# KiCad board SparkFun_Pro_Mini-ESP32_panelized.kicad_pcb (continued)
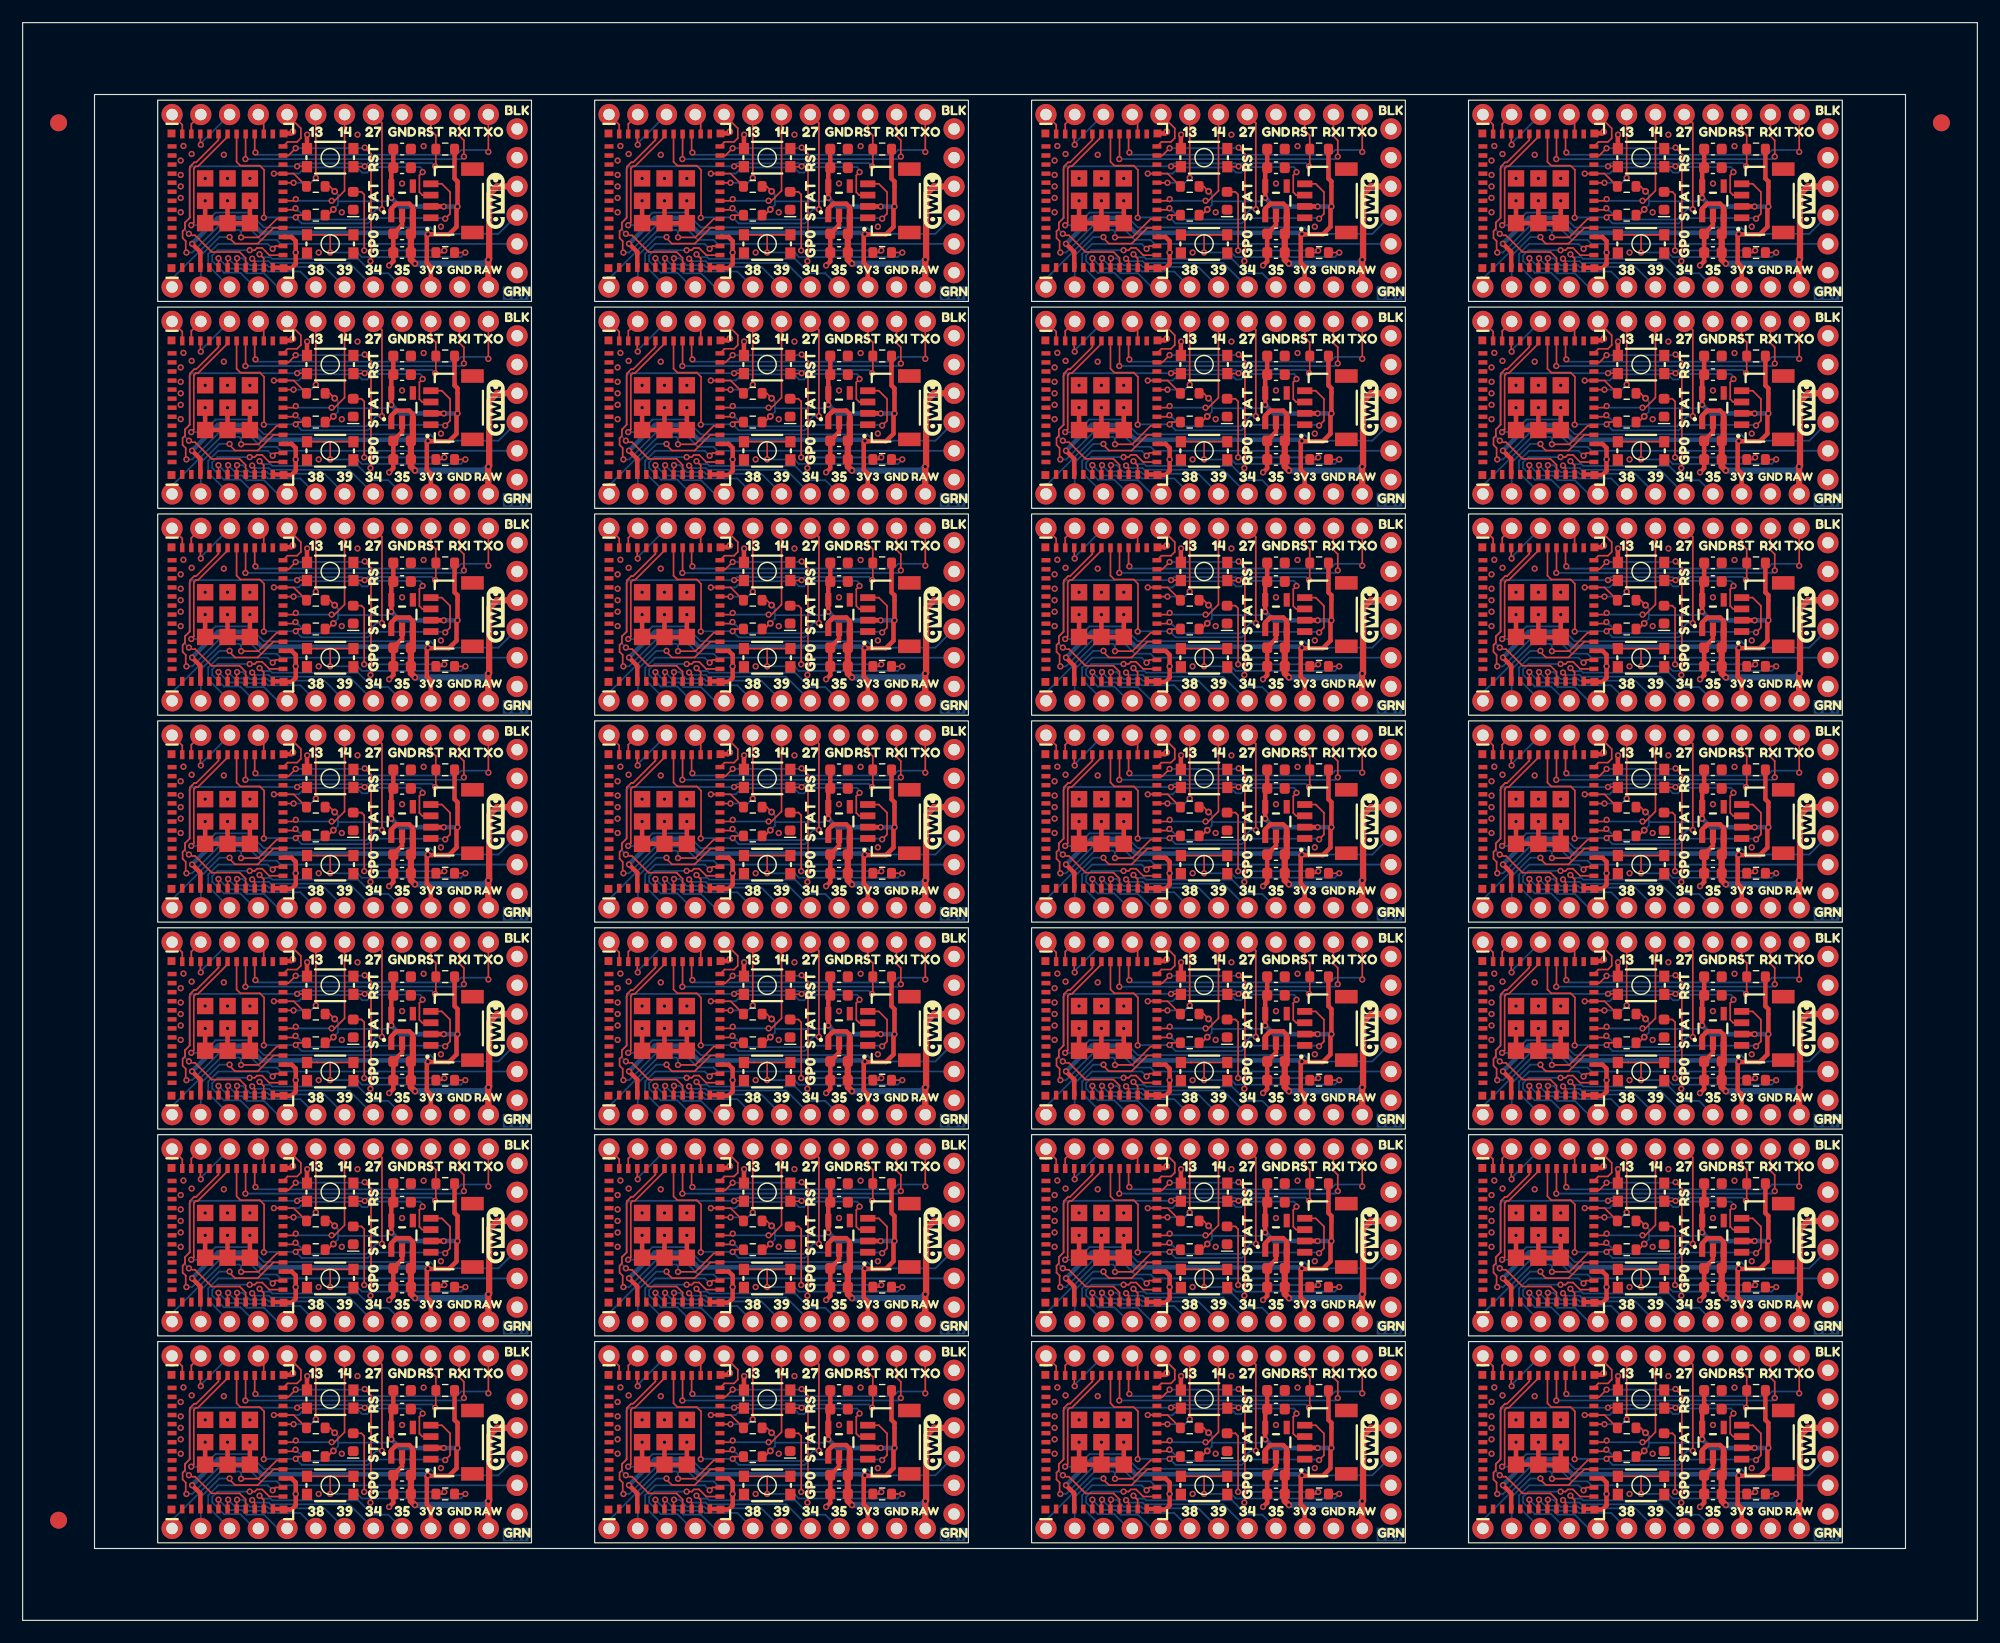
[diagram p0: board, top side]
## Routing (per net, layer and track width the routed paths; a pad name or vN(x,y) marks a point on that pad's centre or on a via; arc(x,y) is an arc through that point) (continued)
ESP_38A: length 269.9
  Top w0.152: U1#6.6 18.1,102.01 v2(18.15,102.06) ; U1#20.6 56.7,47.17 v2(56.75,47.22) ; U1#5.6 95.3,47.17 v2(95.35,47.22) ; v2(95.35,120.34) 95.3,120.29 U1#14.6 ; v2(133.95,47.22) 133.9,47.17 U1#7.6 ; v2(18.15,83.78) 18.1,83.73 U1#25.6 ; v2(133.95,28.94) 133.9,28.89 U1#27.6 ; U1#15.6 56.7,65.45 v2(56.75,65.5) ; v2(95.35,28.94) 95.3,28.89 U1#8.6 ; v2(18.15,65.5) 18.1,65.45 U1#24.6 ; v2(18.15,28.94) 18.1,28.89 U1#2.6 ; v2(56.75,102.06) 56.7,102.01 U1#21.6 ; U1#18.6 18.1,120.29 v2(18.15,120.34) ; v2(56.75,120.34) 56.7,120.29 U1#23.6 ; v2(133.95,65.5) 133.9,65.45 U1#12.6 ; U1#3.6 133.9,83.73 v2(133.95,83.78) ; v2(95.35,102.06) 95.3,102.01 U1#11.6 ; U1#16.6 56.7,83.73 v2(56.75,83.78) ; v2(95.35,10.66) 95.3,10.61 U1#22.6 ; U1#9.6 133.9,120.29 v2(133.95,120.34) ; U1#26.6 133.9,10.61 v2(133.95,10.66) ; U1#10.6 95.3,65.45 v2(95.35,65.5) ; U1.6 18.1,10.61 v2(18.15,10.66) ; U1#13.6 95.3,83.73 v2(95.35,83.78) ; U1#4.6 56.7,10.61 v2(56.75,10.66) ; v2(56.75,28.94) 56.7,28.89 U1#17.6 ; U1#19.6 133.9,102.01 v2(133.95,102.06) ; v2(18.15,47.22) 18.1,47.17 U1#28.6
  Bottom w0.152: v2(18.15,10.66) 18.71,10.1 19.51,10.1 19.93,9.69 21.47,9.69 21.67,9.49 24.53,9.49 J2#20.6 ; J2#21.6 63.13,82.61 60.27,82.61 60.07,82.81 58.53,82.81 58.11,83.22 57.31,83.22 v2(56.75,83.78) ; v2(56.75,47.22) 57.31,46.66 58.11,46.66 58.53,46.25 60.07,46.25 60.27,46.05 63.13,46.05 J2#23.6 ; v2(95.35,102.06) 95.91,101.5 96.71,101.5 97.13,101.09 98.67,101.09 98.87,100.89 101.73,100.89 J2#24.6 ; J2#22.6 24.53,64.33 21.67,64.33 21.47,64.53 19.93,64.53 19.51,64.94 18.71,64.94 v2(18.15,65.5) ; J2#9.6 24.53,46.05 21.67,46.05 21.47,46.25 19.93,46.25 19.51,46.66 18.71,46.66 v2(18.15,47.22) ; v2(18.15,120.34) 18.71,119.78 19.51,119.78 19.93,119.37 21.47,119.37 21.67,119.17 24.53,119.17 J2#6.6 ; v2(133.95,47.22) 134.51,46.66 135.31,46.66 135.73,46.25 137.27,46.25 137.47,46.05 140.33,46.05 J2#13.6 ; v2(18.15,83.78) 18.71,83.22 19.51,83.22 19.93,82.81 21.47,82.81 21.67,82.61 24.53,82.61 J2#11.6 ; J2#5.6 101.73,9.49 98.87,9.49 98.67,9.69 97.13,9.69 96.71,10.1 95.91,10.1 v2(95.35,10.66) ; v2(56.75,120.34) 57.31,119.78 58.11,119.78 58.53,119.37 60.07,119.37 60.27,119.17 63.13,119.17 J2#4.6 ; v2(95.35,47.22) 95.91,46.66 96.71,46.66 97.13,46.25 98.67,46.25 98.87,46.05 101.73,46.05 J2#18.6 ; J2#27.6 140.33,100.89 137.47,100.89 137.27,101.09 135.73,101.09 135.31,101.5 134.51,101.5 v2(133.95,102.06) ; v2(56.75,28.94) 57.31,28.38 58.11,28.38 58.53,27.97 60.07,27.97 60.27,27.77 63.13,27.77 J2#2.6 ; J2#14.6 101.73,64.33 98.87,64.33 98.67,64.53 97.13,64.53 96.71,64.94 95.91,64.94 v2(95.35,65.5) ; J2#16.6 101.73,82.61 98.87,82.61 98.67,82.81 97.13,82.81 96.71,83.22 95.91,83.22 v2(95.35,83.78) ; J2#25.6 63.13,64.33 60.27,64.33 60.07,64.53 58.53,64.53 58.11,64.94 57.31,64.94 v2(56.75,65.5) ; v2(95.35,28.94) 95.91,28.38 96.71,28.38 97.13,27.97 98.67,27.97 98.87,27.77 101.73,27.77 J2.6 ; v2(133.95,83.78) 134.51,83.22 135.31,83.22 135.73,82.81 137.27,82.81 137.47,82.61 140.33,82.61 J2#28.6 ; v2(18.15,28.94) 18.71,28.38 19.51,28.38 19.93,27.97 21.47,27.97 21.67,27.77 24.53,27.77 J2#15.6 ; J2#17.6 101.73,119.17 98.87,119.17 98.67,119.37 97.13,119.37 96.71,119.78 95.91,119.78 v2(95.35,120.34) ; J2#7.6 24.53,100.89 21.67,100.89 21.47,101.09 19.93,101.09 19.51,101.5 18.71,101.5 v2(18.15,102.06) ; J2#26.6 140.33,119.17 137.47,119.17 137.27,119.37 135.73,119.37 135.31,119.78 134.51,119.78 v2(133.95,120.34) ; v2(56.75,102.06) 57.31,101.5 58.11,101.5 58.53,101.09 60.07,101.09 60.27,100.89 63.13,100.89 J2#19.6 ; J2#10.6 140.33,9.49 137.47,9.49 137.27,9.69 135.73,9.69 135.31,10.1 134.51,10.1 v2(133.95,10.66) ; v2(56.75,10.66) 57.31,10.1 58.11,10.1 58.53,9.69 60.07,9.69 60.27,9.49 63.13,9.49 J2#8.6 ; J2#3.6 140.33,64.33 137.47,64.33 137.27,64.53 135.73,64.53 135.31,64.94 134.51,64.94 v2(133.95,65.5) ; v2(133.95,28.94) 134.51,28.38 135.31,28.38 135.73,27.97 137.27,27.97 137.47,27.77 140.33,27.77 J2#12.6
ESP_39A: length 318.9
  Top w0.152: v2(96.14,65.5) 96.1,65.46 U1#10.7 ; v2(134.74,102.06) 134.7,102.02 U1#19.7 ; U1#7.7 134.7,47.18 v2(134.74,47.22) ; U1#12.7 134.7,65.46 v2(134.74,65.5) ; U1#21.7 57.5,102.02 v2(57.54,102.06) ; v2(18.94,10.66) 18.9,10.62 U1.7 ; U1#15.7 57.5,65.46 v2(57.54,65.5) ; U1#17.7 57.5,28.9 v2(57.54,28.94) ; v2(134.74,83.78) 134.7,83.74 U1#3.7 ; v2(96.14,47.22) 96.1,47.18 U1#5.7 ; U1#11.7 96.1,102.02 v2(96.14,102.06) ; v2(57.54,83.78) 57.5,83.74 U1#16.7 ; U1#25.7 18.9,83.74 v2(18.94,83.78) ; U1#27.7 134.7,28.9 v2(134.74,28.94) ; v2(18.94,120.34) 18.9,120.3 U1#18.7 ; v2(134.74,120.34) 134.7,120.3 U1#9.7 ; v2(134.74,10.66) 134.7,10.62 U1#26.7 ; U1#22.7 96.1,10.62 v2(96.14,10.66) ; v2(18.94,28.94) 18.9,28.9 U1#2.7 ; U1#14.7 96.1,120.3 v2(96.14,120.34) ; U1#8.7 96.1,28.9 v2(96.14,28.94) ; U1#20.7 57.5,47.18 v2(57.54,47.22) ; v2(18.94,102.06) 18.9,102.02 U1#6.7 ; v2(96.14,83.78) 96.1,83.74 U1#13.7 ; U1#28.7 18.9,47.18 v2(18.94,47.22) ; U1#24.7 18.9,65.46 v2(18.94,65.5) ; v2(57.54,120.34) 57.5,120.3 U1#23.7 ; v2(57.54,10.66) 57.5,10.62 U1#4.7
  Bottom w0.152: v2(96.14,10.66) 96.65,10.66 97.27,10.04 98.82,10.04 98.96,9.9 103.86,9.9 J2#5.7 ; J2#25.7 65.26,64.74 60.36,64.74 60.22,64.88 58.67,64.88 58.05,65.5 v2(57.54,65.5) ; J2#19.7 65.26,101.3 60.36,101.3 60.22,101.44 58.67,101.44 58.05,102.06 v2(57.54,102.06) ; v2(96.14,102.06) 96.65,102.06 97.27,101.44 98.82,101.44 98.96,101.3 103.86,101.3 J2#24.7 ; J2#21.7 65.26,83.02 60.36,83.02 60.22,83.16 58.67,83.16 58.05,83.78 v2(57.54,83.78) ; J2#27.7 142.46,101.3 137.56,101.3 137.42,101.44 135.87,101.44 135.25,102.06 v2(134.74,102.06) ; v2(134.74,120.34) 135.25,120.34 135.87,119.72 137.42,119.72 137.56,119.58 142.46,119.58 J2#26.7 ; J2#13.7 142.46,46.46 137.56,46.46 137.42,46.6 135.87,46.6 135.25,47.22 v2(134.74,47.22) ; v2(57.54,10.66) 58.05,10.66 58.67,10.04 60.22,10.04 60.36,9.9 65.26,9.9 J2#8.7 ; v2(18.94,28.94) 19.45,28.94 20.07,28.32 21.62,28.32 21.76,28.18 26.66,28.18 J2#15.7 ; J2#4.7 65.26,119.58 60.36,119.58 60.22,119.72 58.67,119.72 58.05,120.34 v2(57.54,120.34) ; v2(18.94,47.22) 19.45,47.22 20.07,46.6 21.62,46.6 21.76,46.46 26.66,46.46 J2#9.7 ; J2#22.7 26.66,64.74 21.76,64.74 21.62,64.88 20.07,64.88 19.45,65.5 v2(18.94,65.5) ; v2(96.14,83.78) 96.65,83.78 97.27,83.16 98.82,83.16 98.96,83.02 103.86,83.02 J2#16.7 ; J2#28.7 142.46,83.02 137.56,83.02 137.42,83.16 135.87,83.16 135.25,83.78 v2(134.74,83.78) ; v2(134.74,28.94) 135.25,28.94 135.87,28.32 137.42,28.32 137.56,28.18 142.46,28.18 J2#12.7 ; J2#17.7 103.86,119.58 98.96,119.58 98.82,119.72 97.27,119.72 96.65,120.34 v2(96.14,120.34) ; v2(18.94,120.34) 19.45,120.34 20.07,119.72 21.62,119.72 21.76,119.58 26.66,119.58 J2#6.7 ; v2(18.94,10.66) 19.45,10.66 20.07,10.04 21.62,10.04 21.76,9.9 26.66,9.9 J2#20.7 ; v2(18.94,102.06) 19.45,102.06 20.07,101.44 21.62,101.44 21.76,101.3 26.66,101.3 J2#7.7 ; v2(134.74,65.5) 135.25,65.5 135.87,64.88 137.42,64.88 137.56,64.74 142.46,64.74 J2#3.7 ; J2#10.7 142.46,9.9 137.56,9.9 137.42,10.04 135.87,10.04 135.25,10.66 v2(134.74,10.66) ; J2#18.7 103.86,46.46 98.96,46.46 98.82,46.6 97.27,46.6 96.65,47.22 v2(96.14,47.22) ; J2#11.7 26.66,83.02 21.76,83.02 21.62,83.16 20.07,83.16 19.45,83.78 v2(18.94,83.78) ; v2(57.54,47.22) 58.05,47.22 58.67,46.6 60.22,46.6 60.36,46.46 65.26,46.46 J2#23.7 ; J2#2.7 65.26,28.18 60.36,28.18 60.22,28.32 58.67,28.32 58.05,28.94 v2(57.54,28.94) ; J2#14.7 103.86,64.74 98.96,64.74 98.82,64.88 97.27,64.88 96.65,65.5 v2(96.14,65.5) ; v2(96.14,28.94) 96.65,28.94 97.27,28.32 98.82,28.32 98.96,28.18 103.86,28.18 J2.7
~{RESET}: length 1158.2
  Top w0.152: J3#24.10 151.86,95.08 152.31,94.64 R1#4.2 152.31,91.97 v2(152.24,91.91) ; v2(36.44,128.47) 36.51,128.53 R1#8.2 36.51,131.2 36.06,131.64 J3#22.10 ; J3#20.10 113.26,40.24 113.7,39.8 R1#25.2 113.7,37.13 v2(113.64,37.07) ; J3#4.10 74.66,76.8 75.11,76.36 R1#22.2 75.11,73.69 v2(75.04,73.63) ; v2(107.42,128.47) 107.38,128.43 SW1#27.1 ; SW1#28.1 63.68,128.47 v2(62.85,128.47) ; 130.78,122.37 131.03,122.37 132.51,120.9 134.97,120.9 135.5,120.37 U1#9.8 ; v2(36.44,91.91) 36.51,91.97 R1#19.2 36.51,94.64 36.06,95.08 J3#14.10 ; v2(152.24,37.07) 152.31,37.13 R1#12.2 152.31,39.8 151.86,40.24 J3#9.10 ; 130.78,67.53 131.03,67.53 132.51,66.06 134.97,66.06 135.5,65.53 U1#12.8 ; 14.98,49.25 15.23,49.25 16.71,47.78 19.17,47.78 19.7,47.25 U1#28.8 ; J3#7.10 151.86,131.64 152.31,131.2 R1#18.2 152.31,128.53 v2(152.24,128.47) ; SW1#26.1 140.88,110.19 v2(140.05,110.19) ; 53.58,49.25 53.83,49.25 55.31,47.78 57.77,47.78 58.3,47.25 U1#20.8 ; v2(113.64,110.19) 113.7,110.25 R1#5.2 113.7,112.92 113.26,113.36 J3#26.10 ; v2(146.02,91.91) 145.98,91.87 SW1#16.1 ; v2(30.22,73.63) 30.18,73.59 SW1#4.1 ; v2(75.04,128.47) 75.11,128.53 R1#17.2 75.11,131.2 74.66,131.64 J3#21.10 ; 14.98,122.37 15.23,122.37 16.71,120.9 19.17,120.9 19.7,120.37 U1#18.8 ; v2(62.85,18.79) 63.68,18.79 SW1#12.1 ; v2(107.42,73.63) 107.38,73.59 SW1#15.1 ; v2(68.82,73.63) 68.78,73.59 SW1#19.1 ; J3#19.10 36.06,113.36 36.51,112.92 R1#15.2 36.51,110.25 v2(36.44,110.19) ; SW1#4.1 25.08,73.63 v2(24.25,73.63) ; J3.10 74.66,40.24 75.11,39.8 R1#2.2 75.11,37.13 v2(75.04,37.07) ; SW1#26.1 145.98,110.15 v2(146.02,110.19) ; SW1#6.1 145.98,18.75 v2(146.02,18.79) ; U1#5.8 96.9,47.25 96.37,47.78 93.91,47.78 92.43,49.25 92.18,49.25 ; v2(68.82,18.79) 68.78,18.75 SW1#12.1 ; SW1#25.1 30.18,18.75 v2(30.22,18.79) ; v2(101.45,55.35) 102.28,55.35 SW1#21.1 ; 130.78,85.81 131.03,85.81 132.51,84.34 134.97,84.34 135.5,83.81 U1#3.8 ; v2(101.45,91.91) 102.28,91.91 SW1#24.1 ; v2(30.22,55.35) 30.18,55.31 SW1#23.1 ; v2(140.05,37.07) 140.88,37.07 SW1#14.1 ; J3#23.10 113.26,76.8 113.7,76.36 R1#7.2 113.7,73.69 v2(113.64,73.63) ; U1#24.8 19.7,65.53 19.17,66.06 16.71,66.06 15.23,67.53 14.98,67.53 ; U1#2.8 19.7,28.97 19.17,29.5 16.71,29.5 15.23,30.97 14.98,30.97 ; v2(113.64,18.79) 113.7,18.85 R1#28.2 113.7,21.52 113.26,21.96 J3#15.10 ; U1#8.8 96.9,28.97 96.37,29.5 93.91,29.5 92.43,30.97 92.18,30.97 ; SW1#10.1 140.88,73.63 v2(140.05,73.63) ; v2(68.82,110.19) 68.78,110.15 SW1#5.1 ; SW1#15.1 102.28,73.63 v2(101.45,73.63) ; 14.98,85.81 15.23,85.81 16.71,84.34 19.17,84.34 19.7,83.81 U1#25.8 ; v2(75.04,110.19) 75.11,110.25 R1#6.2 75.11,112.92 74.66,113.36 J3#13.10 ; 130.78,104.09 131.03,104.09 132.51,102.62 134.97,102.62 135.5,102.09 U1#19.8 ; J3#10.10 113.26,95.08 113.7,94.64 R1#16.2 113.7,91.97 v2(113.64,91.91) ; 130.78,12.69 131.03,12.69 132.51,11.22 134.97,11.22 135.5,10.69 U1#26.8 ; v2(152.24,55.35) 152.31,55.41 R1#9.2 152.31,58.08 151.86,58.52 J3#6.10 ; 92.18,122.37 92.43,122.37 93.91,120.9 96.37,120.9 96.9,120.37 U1#14.8 ; v2(152.24,73.63) 152.31,73.69 R1#20.2 152.31,76.36 151.86,76.8 J3#3.10 ; v2(62.85,110.19) 63.68,110.19 SW1#5.1 ; SW1.1 140.88,128.47 v2(140.05,128.47) ; SW1#10.1 145.98,73.59 v2(146.02,73.63) ; U1#11.8 96.9,102.09 96.37,102.62 93.91,102.62 92.43,104.09 92.18,104.09 ; v2(107.42,110.19) 107.38,110.15 SW1#20.1 ; U1#10.8 96.9,65.53 96.37,66.06 93.91,66.06 92.43,67.53 92.18,67.53 ; SW1#8.1 107.38,18.75 v2(107.42,18.79) ; v2(101.45,37.07) 102.28,37.07 SW1#2.1 ; J3#27.10 36.06,40.24 36.51,39.8 R1#23.2 36.51,37.13 v2(36.44,37.07) ; SW1#25.1 25.08,18.79 v2(24.25,18.79) ; U1#27.8 135.5,28.97 134.97,29.5 132.51,29.5 131.03,30.97 130.78,30.97 ; U1#22.8 96.9,10.69 96.37,11.22 93.91,11.22 92.43,12.69 92.18,12.69 ; v2(146.02,37.07) 145.98,37.03 SW1#14.1 ; U1#4.8 58.3,10.69 57.77,11.22 55.31,11.22 53.83,12.69 53.58,12.69 ; SW1#9.1 25.08,37.07 v2(24.25,37.07) ; U1#21.8 58.3,102.09 57.77,102.62 55.31,102.62 53.83,104.09 53.58,104.09 ; v2(68.82,91.91) 68.78,91.87 SW1#18.1 ; v2(152.24,110.19) 152.31,110.25 R1.2 152.31,112.92 151.86,113.36 J3#11.10 ; SW1#9.1 30.18,37.03 v2(30.22,37.07) ; v2(68.82,128.47) 68.78,128.43 SW1#28.1 ; SW1#17.1 68.78,37.03 v2(68.82,37.07) ; SW1#3.1 30.18,128.43 v2(30.22,128.47) ; U1#7.8 135.5,47.25 134.97,47.78 132.51,47.78 131.03,49.25 130.78,49.25 ; v2(107.42,55.35) 107.38,55.31 SW1#21.1 ; U1#23.8 58.3,120.37 57.77,120.9 55.31,120.9 53.83,122.37 53.58,122.37 ; J3#17.10 74.66,21.96 75.11,21.52 R1#10.2 75.11,18.85 v2(75.04,18.79) ; v2(75.04,91.91) 75.11,91.97 R1#21.2 75.11,94.64 74.66,95.08 J3#16.10 ; J3#25.10 36.06,21.96 36.51,21.52 R1#13.2 36.51,18.85 v2(36.44,18.79) ; v2(113.64,128.47) 113.7,128.53 R1#27.2 113.7,131.2 113.26,131.64 J3#2.10 ; SW1#11.1 25.08,91.91 v2(24.25,91.91) ; SW1#13.1 63.68,55.35 v2(62.85,55.35) ; v2(140.05,55.35) 140.88,55.35 SW1#22.1 ; SW1#27.1 102.28,128.47 v2(101.45,128.47) ; v2(107.42,37.07) 107.38,37.03 SW1#2.1 ; SW1#23.1 25.08,55.35 v2(24.25,55.35) ; v2(146.02,128.47) 145.98,128.43 SW1.1 ; SW1#17.1 63.68,37.07 v2(62.85,37.07) ; SW1#24.1 107.38,91.87 v2(107.42,91.91) ; 14.98,12.69 15.23,12.69 16.71,11.22 19.17,11.22 19.7,10.69 U1.8 ; U1#15.8 58.3,65.53 57.77,66.06 55.31,66.06 53.83,67.53 53.58,67.53 ; J3#18.10 36.06,58.52 36.51,58.08 R1#3.2 36.51,55.41 v2(36.44,55.35) ; 14.98,104.09 15.23,104.09 16.71,102.62 19.17,102.62 19.7,102.09 U1#6.8 ; v2(62.85,91.91) 63.68,91.91 SW1#18.1 ; v2(101.45,110.19) 102.28,110.19 SW1#20.1 ; J3#8.10 113.26,58.52 113.7,58.08 R1#26.2 113.7,55.41 v2(113.64,55.35) ; J3#12.10 36.06,76.8 36.51,76.36 R1#24.2 36.51,73.69 v2(36.44,73.63) ; 92.18,85.81 92.43,85.81 93.91,84.34 96.37,84.34 96.9,83.81 U1#13.8 ; SW1#16.1 140.88,91.91 v2(140.05,91.91) ; SW1#19.1 63.68,73.63 v2(62.85,73.63) ; v2(68.82,55.35) 68.78,55.31 SW1#13.1 ; v2(140.05,18.79) 140.88,18.79 SW1#6.1 ; v2(30.22,110.19) 30.18,110.15 SW1#7.1 ; U1#16.8 58.3,83.81 57.77,84.34 55.31,84.34 53.83,85.81 53.58,85.81 ; v2(152.24,18.79) 152.31,18.85 R1#14.2 152.31,21.52 151.86,21.96 J3#28.10 ; U1#17.8 58.3,28.97 57.77,29.5 55.31,29.5 53.83,30.97 53.58,30.97 ; v2(101.45,18.79) 102.28,18.79 SW1#8.1 ; SW1#3.1 25.08,128.47 v2(24.25,128.47) ; SW1#7.1 25.08,110.19 v2(24.25,110.19) ; J3#5.10 74.66,58.52 75.11,58.08 R1#11.2 75.11,55.41 v2(75.04,55.35) ; SW1#22.1 145.98,55.31 v2(146.02,55.35) ; SW1#11.1 30.18,91.87 v2(30.22,91.91)
  Bottom w0.152: v2(53.29,67.66) 52.94,68.02 52.94,68.65 53.32,69.04 53.32,73.37 53.58,73.63 v2(62.85,73.63) 63.1,73.88 68.56,73.88 v2(68.82,73.63) 69.1,73.91 74.76,73.91 v2(75.04,73.63) ; v2(53.29,31.1) 52.94,31.46 52.94,32.09 53.32,32.48 53.32,36.81 53.58,37.07 v2(62.85,37.07) 63.1,37.32 68.56,37.32 v2(68.82,37.07) 69.1,37.35 74.76,37.35 v2(75.04,37.07) ; v2(152.24,73.63) 151.96,73.91 146.3,73.91 v2(146.02,73.63) 145.76,73.88 140.3,73.88 v2(140.05,73.63) 130.78,73.63 130.52,73.37 130.52,69.04 130.14,68.65 130.14,68.02 v2(130.49,67.66) ; v2(152.24,91.91) 151.96,92.19 146.3,92.19 v2(146.02,91.91) 145.76,92.16 140.3,92.16 v2(140.05,91.91) 130.78,91.91 130.52,91.65 130.52,87.32 130.14,86.93 130.14,86.3 v2(130.49,85.94) ; v2(36.44,37.07) 36.16,37.35 30.5,37.35 v2(30.22,37.07) 29.96,37.32 24.5,37.32 v2(24.25,37.07) 14.98,37.07 14.72,36.81 14.72,32.48 14.34,32.09 14.34,31.46 v2(14.69,31.1) ; v2(152.24,110.19) 151.96,110.47 146.3,110.47 v2(146.02,110.19) 145.76,110.44 140.3,110.44 v2(140.05,110.19) 130.78,110.19 130.52,109.93 130.52,105.6 130.14,105.21 130.14,104.58 v2(130.49,104.22) ; v2(36.44,110.19) 36.16,110.47 30.5,110.47 v2(30.22,110.19) 29.96,110.44 24.5,110.44 v2(24.25,110.19) 14.98,110.19 14.72,109.93 14.72,105.6 14.34,105.21 14.34,104.58 v2(14.69,104.22) ; v2(14.69,49.38) 14.34,49.74 14.34,50.37 14.72,50.76 14.72,55.09 14.98,55.35 v2(24.25,55.35) 24.5,55.6 29.96,55.6 v2(30.22,55.35) 30.5,55.63 36.16,55.63 v2(36.44,55.35) ; v2(113.64,91.91) 113.36,92.19 107.7,92.19 v2(107.42,91.91) 107.16,92.16 101.7,92.16 v2(101.45,91.91) 92.18,91.91 91.92,91.65 91.92,87.32 91.54,86.93 91.54,86.3 v2(91.89,85.94) ; v2(53.29,49.38) 52.94,49.74 52.94,50.37 53.32,50.76 53.32,55.09 53.58,55.35 v2(62.85,55.35) 63.1,55.6 68.56,55.6 v2(68.82,55.35) 69.1,55.63 74.76,55.63 v2(75.04,55.35) ; v2(130.49,49.38) 130.14,49.74 130.14,50.37 130.52,50.76 130.52,55.09 130.78,55.35 v2(140.05,55.35) 140.3,55.6 145.76,55.6 v2(146.02,55.35) 146.3,55.63 151.96,55.63 v2(152.24,55.35) ; v2(91.89,12.82) 91.54,13.18 91.54,13.81 91.92,14.2 91.92,18.53 92.18,18.79 v2(101.45,18.79) 101.7,19.04 107.16,19.04 v2(107.42,18.79) 107.7,19.07 113.36,19.07 v2(113.64,18.79) ; v2(36.44,91.91) 36.16,92.19 30.5,92.19 v2(30.22,91.91) 29.96,92.16 24.5,92.16 v2(24.25,91.91) 14.98,91.91 14.72,91.65 14.72,87.32 14.34,86.93 14.34,86.3 v2(14.69,85.94) ; v2(53.29,104.22) 52.94,104.58 52.94,105.21 53.32,105.6 53.32,109.93 53.58,110.19 v2(62.85,110.19) 63.1,110.44 68.56,110.44 v2(68.82,110.19) 69.1,110.47 74.76,110.47 v2(75.04,110.19) ; v2(36.44,128.47) 36.16,128.75 30.5,128.75 v2(30.22,128.47) 29.96,128.72 24.5,128.72 v2(24.25,128.47) 14.98,128.47 14.72,128.21 14.72,123.88 14.34,123.49 14.34,122.86 v2(14.69,122.5) ; v2(130.49,31.1) 130.14,31.46 130.14,32.09 130.52,32.48 130.52,36.81 130.78,37.07 v2(140.05,37.07) 140.3,37.32 145.76,37.32 v2(146.02,37.07) 146.3,37.35 151.96,37.35 v2(152.24,37.07) ; v2(113.64,128.47) 113.36,128.75 107.7,128.75 v2(107.42,128.47) 107.16,128.72 101.7,128.72 v2(101.45,128.47) 92.18,128.47 91.92,128.21 91.92,123.88 91.54,123.49 91.54,122.86 v2(91.89,122.5) ; v2(14.69,12.82) 14.34,13.18 14.34,13.81 14.72,14.2 14.72,18.53 14.98,18.79 v2(24.25,18.79) 24.5,19.04 29.96,19.04 v2(30.22,18.79) 30.5,19.07 36.16,19.07 v2(36.44,18.79) ; v2(113.64,110.19) 113.36,110.47 107.7,110.47 v2(107.42,110.19) 107.16,110.44 101.7,110.44 v2(101.45,110.19) 92.18,110.19 91.92,109.93 91.92,105.6 91.54,105.21 91.54,104.58 v2(91.89,104.22) ; v2(36.44,73.63) 36.16,73.91 30.5,73.91 v2(30.22,73.63) 29.96,73.88 24.5,73.88 v2(24.25,73.63) 14.98,73.63 14.72,73.37 14.72,69.04 14.34,68.65 14.34,68.02 v2(14.69,67.66) ; v2(113.64,37.07) 113.36,37.35 107.7,37.35 v2(107.42,37.07) 107.16,37.32 101.7,37.32 v2(101.45,37.07) 92.18,37.07 91.92,36.81 91.92,32.48 91.54,32.09 91.54,31.46 v2(91.89,31.1) ; v2(75.04,128.47) 74.76,128.75 69.1,128.75 v2(68.82,128.47) 68.56,128.72 63.1,128.72 v2(62.85,128.47) 53.58,128.47 53.32,128.21 53.32,123.88 52.94,123.49 52.94,122.86 v2(53.29,122.5) ; v2(113.64,73.63) 113.36,73.91 107.7,73.91 v2(107.42,73.63) 107.16,73.88 101.7,73.88 v2(101.45,73.63) 92.18,73.63 91.92,73.37 91.92,69.04 91.54,68.65 91.54,68.02 v2(91.89,67.66) ; v2(130.49,122.5) 130.14,122.86 130.14,123.49 130.52,123.88 130.52,128.21 130.78,128.47 v2(140.05,128.47) 140.3,128.72 145.76,128.72 v2(146.02,128.47) 146.3,128.75 151.96,128.75 v2(152.24,128.47) ; v2(75.04,18.79) 74.76,19.07 69.1,19.07 v2(68.82,18.79) 68.56,19.04 63.1,19.04 v2(62.85,18.79) 53.58,18.79 53.32,18.53 53.32,14.2 52.94,13.81 52.94,13.18 v2(53.29,12.82) ; v2(130.49,12.82) 130.14,13.18 130.14,13.81 130.52,14.2 130.52,18.53 130.78,18.79 v2(140.05,18.79) 140.3,19.04 145.76,19.04 v2(146.02,18.79) 146.3,19.07 151.96,19.07 v2(152.24,18.79) ; v2(53.29,85.94) 52.94,86.3 52.94,86.93 53.32,87.32 53.32,91.65 53.58,91.91 v2(62.85,91.91) 63.1,92.16 68.56,92.16 v2(68.82,91.91) 69.1,92.19 74.76,92.19 v2(75.04,91.91) ; v2(91.89,49.38) 91.54,49.74 91.54,50.37 91.92,50.76 91.92,55.09 92.18,55.35 v2(101.45,55.35) 101.7,55.6 107.16,55.6 v2(107.42,55.35) 107.7,55.63 113.36,55.63 v2(113.64,55.35)
Net-(D1-A): length 389.5
  Top w0.152: v2(68.77,29.63) 68.77,34.57 68.54,34.81 D1#27.2 ; D1#12.2 145.74,16.53 145.97,16.29 v2(145.97,11.35) ; v2(37.25,66.19) 37.07,66.01 R2#28.2 ; v2(37.25,11.35) 37.07,11.17 R2#4.2 ; v2(153.05,84.47) 152.87,84.29 R2#3.2 ; R2#21.2 114.27,11.17 v2(114.45,11.35) ; D1#24.2 145.74,107.93 145.97,107.69 v2(145.97,102.75) ; R2#19.2 75.67,102.57 v2(75.85,102.75) ; R2#24.2 37.07,84.29 v2(37.25,84.47) ; v2(30.17,84.47) 30.17,89.41 29.94,89.65 D1#26.2 ; R2#17.2 75.67,84.29 v2(75.85,84.47) ; D1#15.2 68.54,71.37 68.77,71.13 v2(68.77,66.19) ; R2.2 75.67,11.17 v2(75.85,11.35) ; v2(145.97,121.03) 145.97,125.97 145.74,126.21 D1#3.2 ; v2(153.05,102.75) 152.87,102.57 R2#13.2 ; D1#22.2 68.54,89.65 68.77,89.41 v2(68.77,84.47) ; R2#26.2 152.87,11.17 v2(153.05,11.35) ; v2(114.45,84.47) 114.27,84.29 R2#23.2 ; D1#9.2 145.74,71.37 145.97,71.13 v2(145.97,66.19) ; v2(114.45,66.19) 114.27,66.01 R2#6.2 ; D1#17.2 29.94,107.93 30.17,107.69 v2(30.17,102.75) ; R2#8.2 114.27,47.73 v2(114.45,47.91) ; v2(145.97,84.47) 145.97,89.41 145.74,89.65 D1#10.2 ; v2(145.97,47.91) 145.97,52.85 145.74,53.09 D1#21.2 ; v2(107.37,102.75) 107.37,107.69 107.14,107.93 D1#8.2 ; R2#15.2 114.27,120.85 v2(114.45,121.03) ; v2(68.77,47.91) 68.77,52.85 68.54,53.09 D1#19.2 ; R2#11.2 114.27,102.57 v2(114.45,102.75) ; v2(68.77,102.75) 68.77,107.69 68.54,107.93 D1#23.2 ; v2(30.17,47.91) 30.17,52.85 29.94,53.09 D1#2.2 ; R2#12.2 37.07,120.85 v2(37.25,121.03) ; D1#4.2 29.94,126.21 30.17,125.97 v2(30.17,121.03) ; v2(30.17,11.35) 30.17,16.29 29.94,16.53 D1#6.2 ; D1#18.2 107.14,16.53 107.37,16.29 v2(107.37,11.35) ; v2(75.85,47.91) 75.67,47.73 R2#9.2 ; D1.2 107.14,89.65 107.37,89.41 v2(107.37,84.47) ; D1#14.2 107.14,126.21 107.37,125.97 v2(107.37,121.03) ; R2#2.2 37.07,29.45 v2(37.25,29.63) ; v2(75.85,29.63) 75.67,29.45 R2#5.2 ; v2(107.37,29.63) 107.37,34.57 107.14,34.81 D1#13.2 ; D1#28.2 29.94,34.81 30.17,34.57 v2(30.17,29.63) ; R2#27.2 152.87,29.45 v2(153.05,29.63) ; v2(107.37,66.19) 107.37,71.13 107.14,71.37 D1#20.2 ; v2(68.77,11.35) 68.77,16.29 68.54,16.53 D1#5.2 ; D1#7.2 29.94,71.37 30.17,71.13 v2(30.17,66.19) ; D1#25.2 107.14,53.09 107.37,52.85 v2(107.37,47.91) ; R2#25.2 75.67,66.01 v2(75.85,66.19) ; v2(153.05,47.91) 152.87,47.73 R2#20.2 ; v2(37.25,102.75) 37.07,102.57 R2#18.2 ; R2#7.2 37.07,47.73 v2(37.25,47.91) ; R2#16.2 152.87,66.01 v2(153.05,66.19) ; D1#11.2 145.74,34.81 145.97,34.57 v2(145.97,29.63) ; v2(75.85,121.03) 75.67,120.85 R2#10.2 ; v2(68.77,121.03) 68.77,125.97 68.54,126.21 D1#16.2 ; R2#22.2 114.27,29.45 v2(114.45,29.63) ; R2#14.2 152.87,120.85 v2(153.05,121.03)
  Bottom w0.152: v2(153.05,121.03) v2(145.97,121.03) ; v2(114.45,121.03) v2(107.37,121.03) ; v2(68.77,121.03) v2(75.85,121.03) ; v2(30.17,47.91) v2(37.25,47.91) ; v2(153.05,47.91) v2(145.97,47.91) ; v2(114.45,84.47) v2(107.37,84.47) ; v2(114.45,11.35) v2(107.37,11.35) ; v2(153.05,84.47) v2(145.97,84.47) ; v2(30.17,66.19) v2(37.25,66.19) ; v2(75.85,84.47) v2(68.77,84.47) ; v2(37.25,121.03) v2(30.17,121.03) ; v2(68.77,11.35) v2(75.85,11.35) ; v2(37.25,29.63) v2(30.17,29.63) ; v2(37.25,11.35) v2(30.17,11.35) ; v2(153.05,11.35) v2(145.97,11.35) ; v2(107.37,102.75) v2(114.45,102.75) ; v2(145.97,29.63) v2(153.05,29.63) ; v2(114.45,47.91) v2(107.37,47.91) ; v2(107.37,29.63) v2(114.45,29.63) ; v2(114.45,66.19) v2(107.37,66.19) ; v2(75.85,47.91) v2(68.77,47.91) ; v2(68.77,102.75) v2(75.85,102.75) ; v2(75.85,66.19) v2(68.77,66.19) ; v2(145.97,102.75) v2(153.05,102.75) ; v2(37.25,84.47) v2(30.17,84.47) ; v2(68.77,29.63) v2(75.85,29.63) ; v2(37.25,102.75) v2(30.17,102.75) ; v2(145.97,66.19) v2(153.05,66.19)

## Copper pours and planes (outline as drawn; the poured copper is in the pictures)
GND on Top, Bottom: 127.73,116.53 127.73,134.31 160.75,134.31 160.75,116.53
GND on Top, Bottom: 127.73,25.13 127.73,42.91 160.75,42.91 160.75,25.13
GND on Top, Bottom: 50.53,98.25 50.53,116.03 83.55,116.03 83.55,98.25
GND on Top, Bottom: 11.93,6.85 11.93,24.63 44.95,24.63 44.95,6.85
GND on Top, Bottom: 11.93,79.97 11.93,97.75 44.95,97.75 44.95,79.97
GND on Top, Bottom: 89.13,79.97 89.13,97.75 122.15,97.75 122.15,79.97
GND on Top, Bottom: 50.53,61.69 50.53,79.47 83.55,79.47 83.55,61.69
GND on Top, Bottom: 50.53,25.13 50.53,42.91 83.55,42.91 83.55,25.13
GND on Top, Bottom: 11.93,61.69 11.93,79.47 44.95,79.47 44.95,61.69
GND on Top, Bottom: 50.53,116.53 50.53,134.31 83.55,134.31 83.55,116.53
GND on Top, Bottom: 11.93,25.13 11.93,42.91 44.95,42.91 44.95,25.13
GND on Top, Bottom: 127.73,6.85 127.73,24.63 160.75,24.63 160.75,6.85
GND on Top, Bottom: 127.73,61.69 127.73,79.47 160.75,79.47 160.75,61.69
GND on Top, Bottom: 11.93,98.25 11.93,116.03 44.95,116.03 44.95,98.25
GND on Top, Bottom: 127.73,79.97 127.73,97.75 160.75,97.75 160.75,79.97
GND on Top, Bottom: 89.13,43.41 89.13,61.19 122.15,61.19 122.15,43.41
GND on Top, Bottom: 11.93,43.41 11.93,61.19 44.95,61.19 44.95,43.41
GND on Top, Bottom: 89.13,116.53 89.13,134.31 122.15,134.31 122.15,116.53
GND on Top, Bottom: 50.53,79.97 50.53,97.75 83.55,97.75 83.55,79.97
GND on Top, Bottom: 89.13,61.69 89.13,79.47 122.15,79.47 122.15,61.69
GND on Top, Bottom: 89.13,98.25 89.13,116.03 122.15,116.03 122.15,98.25
GND on Top, Bottom: 50.53,6.85 50.53,24.63 83.55,24.63 83.55,6.85
GND on Top, Bottom: 89.13,25.13 89.13,42.91 122.15,42.91 122.15,25.13
GND on Top, Bottom: 89.13,6.85 89.13,24.63 122.15,24.63 122.15,6.85
GND on Top, Bottom: 11.93,116.53 11.93,134.31 44.95,134.31 44.95,116.53
GND on Top, Bottom: 50.53,43.41 50.53,61.19 83.55,61.19 83.55,43.41
GND on Top, Bottom: 127.73,98.25 127.73,116.03 160.75,116.03 160.75,98.25
GND on Top, Bottom: 127.73,43.41 127.73,61.19 160.75,61.19 160.75,43.41

## Text on the board
Bottom: v10
User.Comments: N. Seidle | V-SCORE | ROUTE OUT
F.Fab: Finish: HASL Lead Free | Thickness: 0.8mm | Solder Mask: Red | Layers: 2
